# Altium PCB FPGA_Module.PcbDoc (part 3 of 5)
Units mm, origin at the board's own origin, x right, y up, seen from the top; angles counter-clockwise.
Board outline 40 x 50 mm, 6 copper layers (Top Layer, Int1 (GND), Int2 (Sign), Int3 (Sign), Int4 (GND), Bottom Layer), stack 1.49 mm thick; 168 components, 205 nets, 1176 pads, 667 vias.
Unrouted connection lines stored in the file: 1.
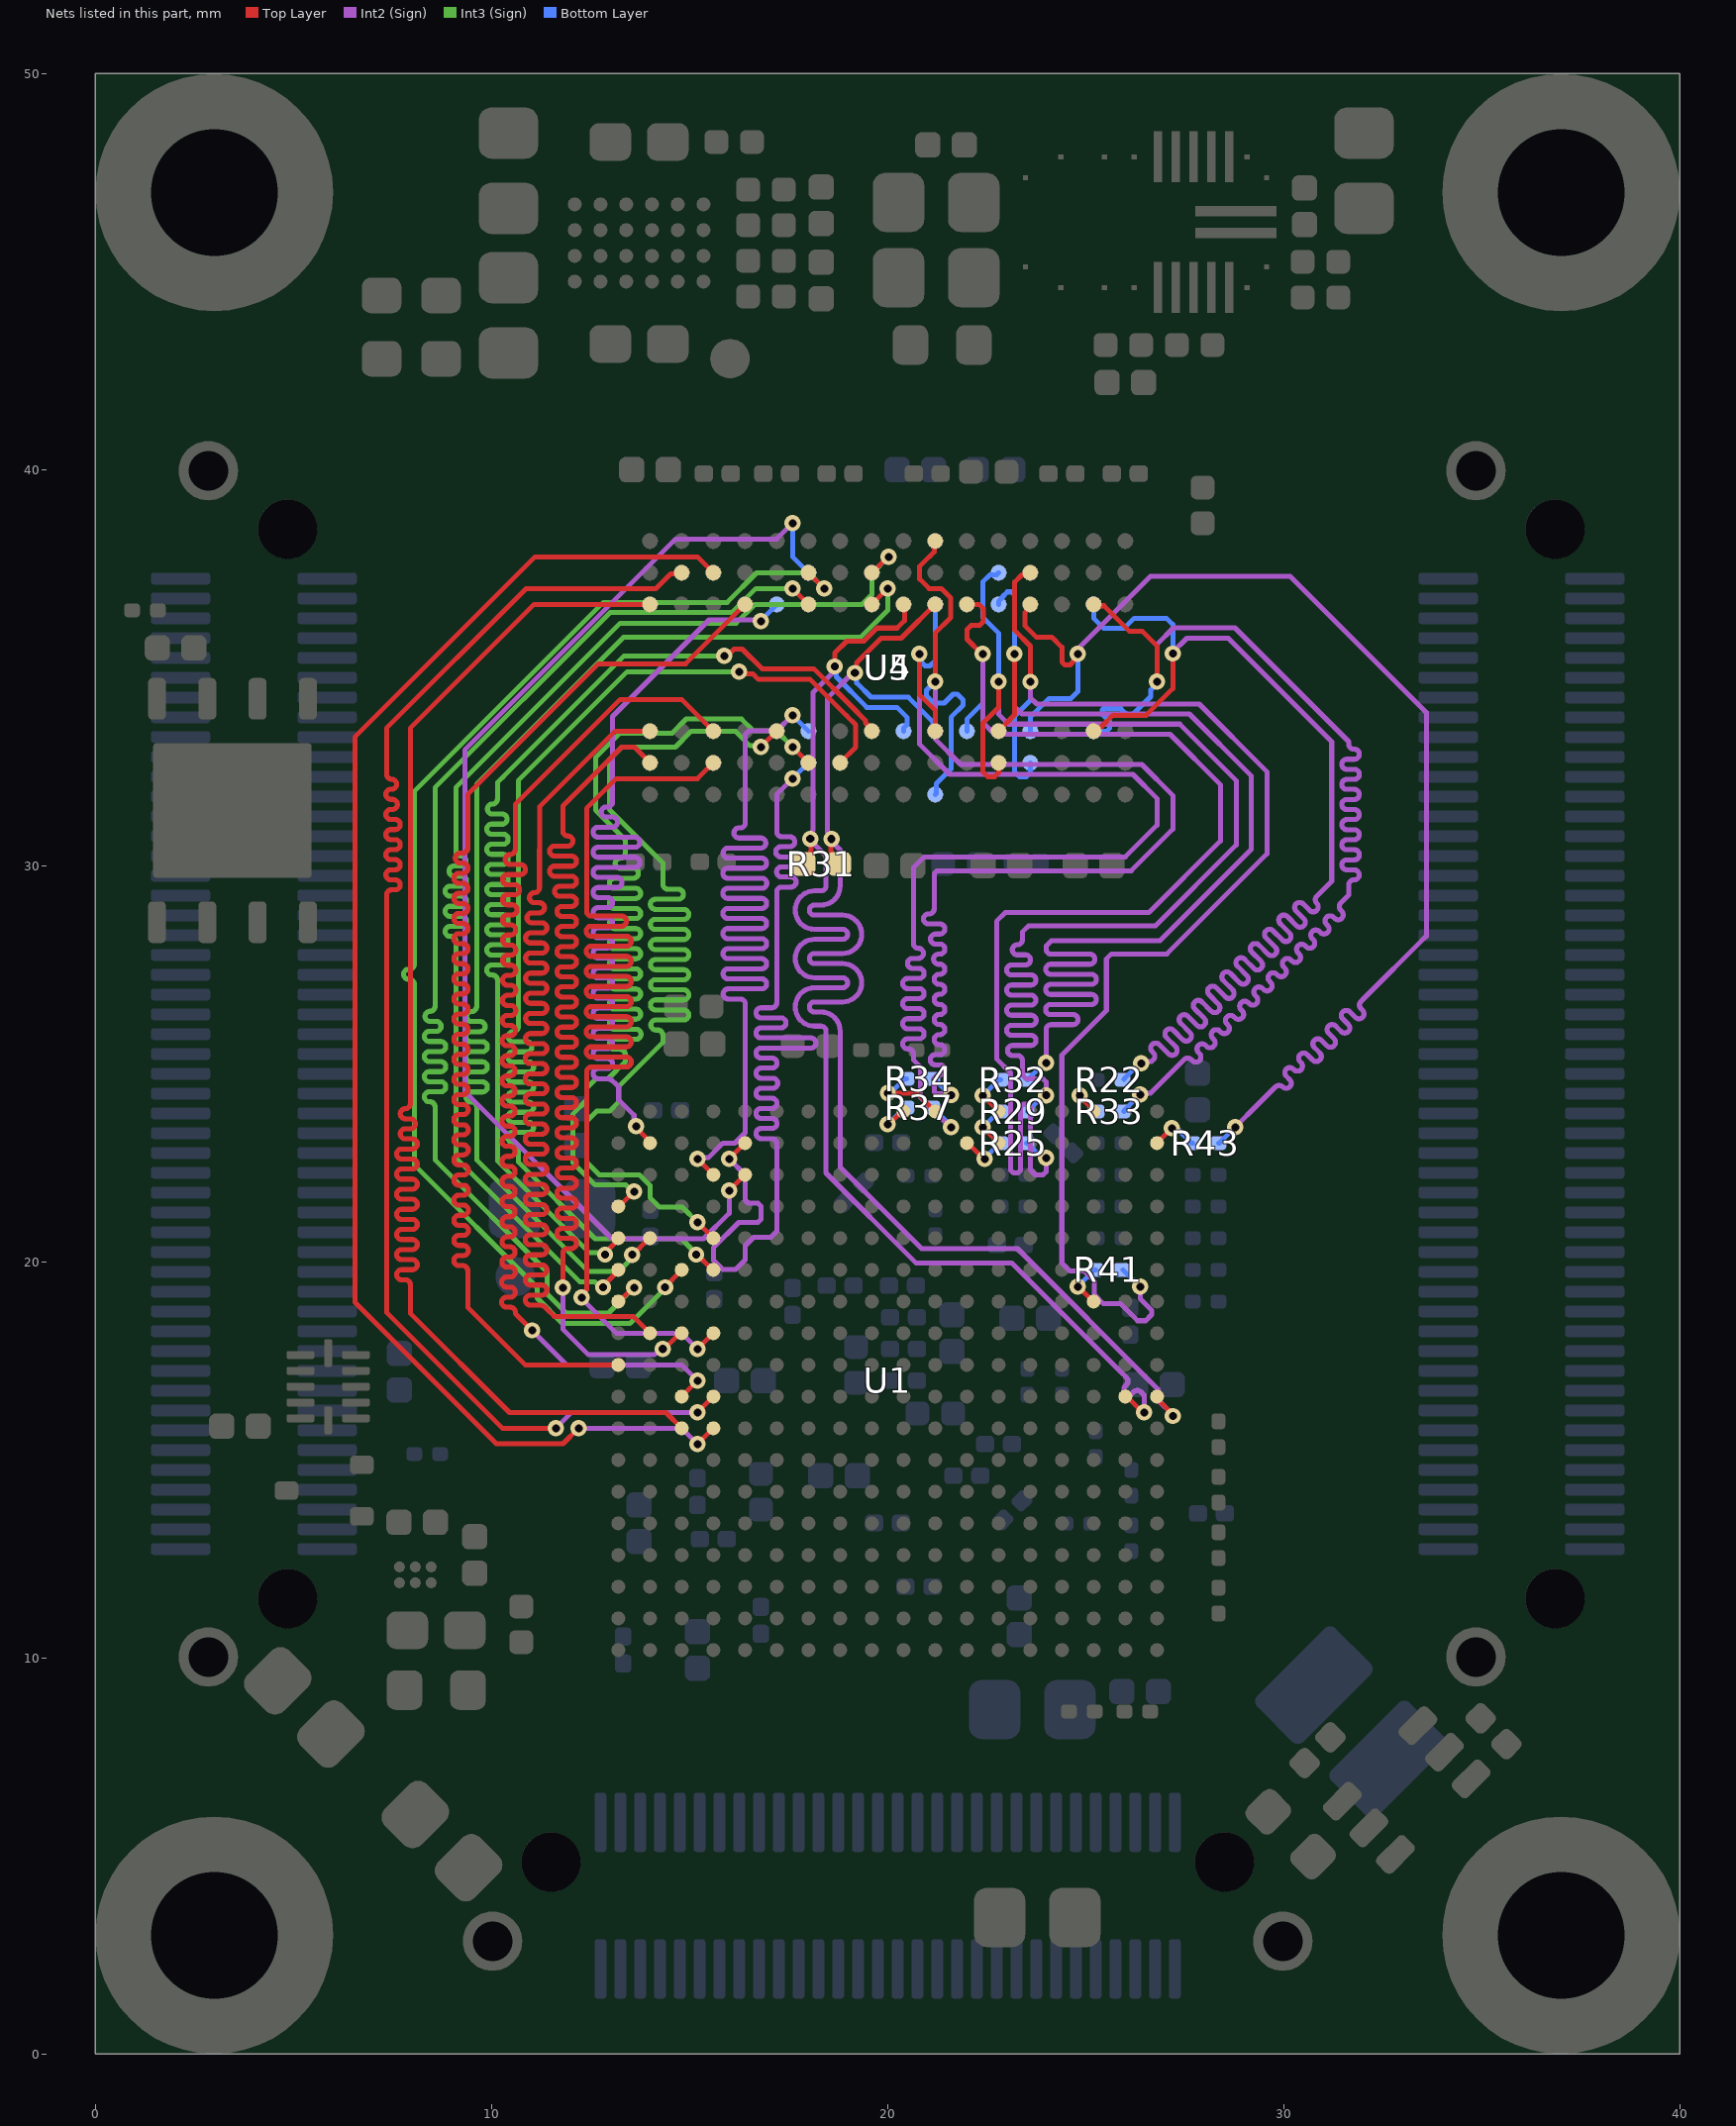
[diagram p7: the nets of this part, all layers, seen from the top]

## Via types
v1: diameter 0.406, hole 0.203, Top Layer to Bottom Layer, tented both sides, 667 vias

## Nets (pads, with @x,y where several pads share a name; then routed paths per layer and width w, separated by ;. In a path a pad name is that pad's centre, name@x,y a point inside that pad or via, vN(x,y) a via of type N, cw(c..) or ccw(c..) an arc to the next point about the centre after c; other vN are vias at no path point) (continued)
DDR3_A9_T: R22.2 U4.R3 U5.R3 | length 33
  Top Layer w0.127: U4.R3@25.2,33.4 25.274,33.4 25.379,33.505 25.393,33.505 25.688,33.8 26.525,33.8 27.2,34.475 v1(27.2,35.359)
  Int2 (Sign) w0.127: v1(26.401,25.012) 26.443,25.054 26.661,25.054 26.706,25.099 ccw(c26.616,25.189) 26.706,25.279 26.677,25.307 cw(c26.767,25.397) 26.677,25.487 cw(c26.767,25.397) 26.857,25.487 27.092,25.251 ccw(c27.182,25.341) 27.272,25.251 ccw(c27.182,25.341) 27.272,25.431 27.037,25.666 cw(c27.126,25.756) 27.037,25.846 cw(c27.126,25.756) 27.216,25.846 27.451,25.611 ccw(c27.541,25.7) 27.631,25.611 ccw(c27.541,25.7) 27.631,25.79 27.396,26.026 cw(c27.486,26.115) 27.396,26.205 cw(c27.486,26.115) 27.575,26.205 27.811,25.97 ccw(c27.9,26.06) 27.99,25.97 ccw(c27.9,26.06) 27.99,26.149 27.755,26.385 cw(c27.845,26.475) 27.755,26.564 cw(c27.845,26.475) 27.935,26.564 28.17,26.329 ccw(c28.26,26.419) 28.349,26.329 ccw(c28.26,26.419) 28.349,26.509 28.114,26.744 cw(c28.204,26.834) 28.114,26.924 cw(c28.204,26.834) 28.294,26.924 28.529,26.688 ccw(c28.619,26.778) 28.709,26.688 ccw(c28.619,26.778) 28.709,26.868 28.473,27.103 cw(c28.563,27.193) 28.473,27.283 cw(c28.563,27.193) 28.653,27.283 28.888,27.048 ccw(c28.978,27.137) 29.068,27.048 ccw(c28.978,27.137) 29.068,27.227 28.833,27.462 cw(c28.922,27.552) 28.833,27.642 cw(c28.922,27.552) 29.012,27.642 29.247,27.407 ccw(c29.337,27.497) 29.427,27.407 ccw(c29.337,27.497) 29.427,27.586 29.192,27.822 cw(c29.282,27.911) 29.192,28.001 cw(c29.282,27.911) 29.371,28.001 29.607,27.766 ccw(c29.696,27.856) 29.786,27.766 ccw(c29.696,27.856) 29.786,27.946 29.551,28.181 cw(c29.641,28.271) 29.551,28.36 cw(c29.641,28.271) 29.731,28.36 29.966,28.125 ccw(c30.056,28.215) 30.145,28.125 ccw(c30.056,28.215) 30.145,28.305 29.91,28.54 cw(c30,28.63) 29.91,28.72 cw(c30,28.63) 30.09,28.72 30.325,28.484 ccw(c30.415,28.574) 30.505,28.484 ccw(c30.415,28.574) 30.505,28.664 30.31,28.858 cw(c30.4,28.948) 30.31,29.038 cw(c30.4,28.948) 30.49,29.038 30.654,28.874 ccw(c30.744,28.964) 30.833,28.874 ccw(c30.744,28.964) 30.833,29.054 cw(c30.923,29.143) 30.833,29.233 31.165,29.566 31.21,29.611 31.21,33.134 28.598,35.746 27.553,35.746 27.2,35.393 v1(27.2,35.359)
  Bottom Layer w0.127: U5.R3@25.2,36.6 25.2,36.25 25.45,36 25.975,36 26.225,36.25 27.039,36.25 27.2,36.089 v1(27.2,35.359) ; R22.2@25.963,24.613 v1@26.375,25.025
DDR3_A10: R25.1 U1.M17 | length 1.2
  Top Layer w0.127: U1.M17@22,23 22.025,23 22.425,22.6 v1(22.45,22.6)
  Bottom Layer w0.127: v1(22.45,22.6) 22.45,22.613 22.837,23 R25.1@22.85,23
DDR3_A10_T: R25.2 U4.L7 U5.L7 | length 32.2
  Top Layer w0.127: U4.L7@22,36.6 22.308,36.6 22.42,36.489 22.42,36.167 22.324,36.071 22.109,36.071 22.005,35.967 22.005,35.72 22.375,35.35 v1(22.4,35.35)
  Int2 (Sign) w0.127: v1(22.4,35.35) 22.4,33.625 22.702,33.323 27.127,33.323 28.4,32.05 28.4,30.625 26.596,28.821 22.971,28.821 22.75,28.6 22.75,25.126 23.104,24.773 23.104,22.317 23.178,22.243 23.283,22.243 23.359,22.319 23.359,23.917 23.428,23.985 23.533,23.985 23.602,23.917 23.602,22.323 23.731,22.194 23.919,22.194 24,22.275 v1(24,22.625)
  Bottom Layer w0.127: U5.L7@22,33.4 22,33.7 22.4,34.1 v1(22.4,35.35) ; R25.2@23.5,23 23.525,23 23.847,22.678 23.947,22.678 v1(24,22.625)
DDR3_A11: R33.1 U1.T18 | length 1.1
  Top Layer w0.127: v1(24.85,24.202) 24.85,24.176 25.187,23.839 U1.T18@25.187,23.794
  Bottom Layer w0.127: v1@24.85,24.201 25.251,23.8 R33.1@25.275,23.8
DDR3_A11_T: R33.2 U4.R7 U5.R7 | length 33.2
  Top Layer w0.127: U4.R7@25.2,36.6 25.237,36.563 25.462,36.563 26.1,35.925 26.425,35.925 26.8,35.55 v1(26.8,34.65)
  Int2 (Sign) w0.127: v1(26.375,24.225) 26.412,24.262 26.641,24.262 26.903,24.524 27.487,25.107 cw(c27.577,25.018) 27.666,25.107 27.692,25.081 ccw(c27.782,25.171) 27.872,25.081 ccw(c27.782,25.171) 27.872,25.261 27.846,25.287 cw(c27.936,25.377) 27.846,25.467 cw(c27.936,25.377) 28.026,25.467 28.052,25.44 ccw(c28.141,25.53) 28.231,25.44 ccw(c28.141,25.53) 28.231,25.62 28.205,25.646 cw(c28.295,25.736) 28.205,25.826 cw(c28.295,25.736) 28.385,25.826 28.411,25.8 ccw(c28.501,25.889) 28.59,25.8 ccw(c28.501,25.889) 28.59,25.979 28.564,26.005 cw(c28.654,26.095) 28.564,26.185 cw(c28.654,26.095) 28.744,26.185 28.77,26.159 ccw(c28.86,26.249) 28.95,26.159 ccw(c28.86,26.249) 28.95,26.339 28.924,26.365 cw(c29.013,26.454) 28.924,26.544 cw(c29.013,26.454) 29.103,26.544 29.129,26.518 ccw(c29.219,26.608) 29.309,26.518 ccw(c29.219,26.608) 29.309,26.698 29.283,26.724 cw(c29.373,26.814) 29.283,26.903 cw(c29.373,26.814) 29.462,26.903 29.489,26.877 ccw(c29.578,26.967) 29.668,26.877 ccw(c29.578,26.967) 29.668,27.057 29.642,27.083 cw(c29.732,27.173) 29.642,27.263 cw(c29.732,27.173) 29.822,27.263 29.848,27.237 ccw(c29.938,27.326) 30.027,27.237 ccw(c29.938,27.326) 30.027,27.416 30.001,27.442 cw(c30.091,27.532) 30.001,27.622 cw(c30.091,27.532) 30.181,27.622 30.207,27.596 ccw(c30.297,27.686) 30.387,27.596 ccw(c30.297,27.686) 30.387,27.775 30.36,27.801 cw(c30.45,27.891) 30.36,27.981 cw(c30.45,27.891) 30.54,27.981 30.566,27.955 ccw(c30.656,28.045) 30.746,27.955 ccw(c30.656,28.045) 30.746,28.135 30.72,28.161 cw(c30.81,28.25) 30.72,28.34 cw(c30.81,28.25) 30.899,28.34 30.925,28.314 ccw(c31.015,28.404) 31.105,28.314 ccw(c31.015,28.404) 31.105,28.494 31.079,28.52 cw(c31.169,28.61) 31.079,28.699 cw(c31.169,28.61) 31.259,28.699 31.285,28.673 ccw(c31.374,28.763) 31.464,28.673 ccw(c31.374,28.763) 31.464,28.853 31.438,28.879 cw(c31.528,28.969) 31.438,29.059 31.575,29.195 31.591,29.212 31.641,29.261 31.641,29.515 cw(c31.768,29.515) 31.768,29.642 31.777,29.642 ccw(c31.777,29.769) 31.777,29.896 31.591,29.896 cw(c31.591,30.023) 31.591,30.15 31.783,30.15 ccw(c31.783,30.277) 31.783,30.404 31.591,30.404 cw(c31.591,30.531) 31.591,30.658 31.78,30.658 ccw(c31.78,30.785) 31.78,30.912 31.591,30.912 cw(c31.591,31.039) 31.591,31.166 31.78,31.166 ccw(c31.78,31.293) 31.78,31.42 31.591,31.42 cw(c31.591,31.547) 31.591,31.674 31.781,31.674 ccw(c31.781,31.801) 31.781,31.928 31.591,31.928 cw(c31.591,32.055) 31.591,32.182 31.781,32.182 ccw(c31.781,32.309) 31.781,32.436 31.591,32.436 cw(c31.591,32.563) 31.591,32.69 31.782,32.69 ccw(c31.782,32.817) 31.782,32.944 31.768,32.944 cw(c31.768,33.071) 31.641,33.071 31.641,33.134 28.77,36.005 27.215,36.005 26.8,35.59 v1(26.8,34.65)
  Bottom Layer w0.127: U5.R7@25.2,33.4 25.535,33.4 25.61,33.474 25.61,33.64 25.419,33.831 25.419,33.936 25.448,33.965 25.887,33.965 26.057,33.795 26.162,33.795 26.563,34.196 26.567,34.196 26.641,34.27 26.641,34.441 26.8,34.599 v1(26.8,34.65) ; R33.2@25.963,23.8 25.963,23.813 v1(26.375,24.225)
DDR3_A12: R43.1 U1.V17 | length 1.2
  Top Layer w0.127: U1.V17@26.8,23 v1(27.175,23.375)
  Bottom Layer w0.127: v1(27.175,23.375) 27.228,23.322 27.353,23.322 27.675,23 R43.1@27.7,23
DDR3_A12_T: R43.2 U4.N7 U5.N7 | length 33
  Top Layer w0.127: U4.N7@23.6,36.6 23.6,36.526 23.464,36.39 23.464,36.062 23.75,35.775 24.141,35.775 24.4,35.516 24.4,35.143 24.474,35.069 24.605,35.069 24.654,35.118 24.654,35.128 24.8,35.274 v1(24.8,35.35)
  Int2 (Sign) w0.127: v1(24.8,35.35) 24.853,35.403 24.853,35.529 26.628,37.304 30.166,37.304 33.6,33.87 33.6,28.225 31.993,26.618 31.948,26.573 ccw(c32.038,26.483) 31.948,26.393 31.989,26.353 cw(c31.899,26.263) 31.989,26.173 cw(c31.899,26.263) 31.809,26.173 31.669,26.313 ccw(c31.58,26.223) 31.49,26.313 ccw(c31.58,26.223) 31.49,26.133 31.63,25.993 cw(c31.54,25.904) 31.63,25.814 cw(c31.54,25.904) 31.45,25.814 31.31,25.954 ccw(c31.22,25.864) 31.131,25.954 ccw(c31.22,25.864) 31.131,25.774 31.27,25.634 cw(c31.181,25.544) 31.27,25.455 cw(c31.181,25.544) 31.091,25.455 30.951,25.594 ccw(c30.861,25.505) 30.771,25.594 ccw(c30.861,25.505) 30.771,25.415 30.911,25.275 cw(c30.821,25.185) 30.911,25.095 cw(c30.821,25.185) 30.732,25.095 30.592,25.235 ccw(c30.502,25.145) 30.412,25.235 ccw(c30.502,25.145) 30.412,25.056 30.436,25.032 cw(c30.346,24.942) 30.436,24.853 cw(c30.346,24.942) 30.256,24.853 30.242,24.867 ccw(c30.152,24.777) 30.062,24.867 ccw(c30.152,24.777) 30.062,24.687 30.152,24.597 cw(c30.062,24.508) 30.152,24.418 cw(c30.062,24.508) 29.972,24.418 ccw(c29.883,24.328) 29.793,24.418 29.355,23.98 v1(28.775,23.4)
  Bottom Layer w0.127: U5.N7@23.6,33.4 23.6,33.75 24.075,34.225 24.63,34.225 24.8,34.395 v1(24.8,35.35) ; R43.2@28.35,23 28.375,23 v1(28.775,23.4)
DDR3_BA0: R29.1 U1.N17 | length 1.2
  Top Layer w0.127: v1(22.4,23.4) U1.N17@22.8,23
  Bottom Layer w0.127: v1(22.4,23.4) 22.412,23.4 22.812,23.8 R29.1@22.85,23.8
DDR3_BA0_T: R29.2 U4.M2 U5.M2 | length 33.4
  Top Layer w0.127: U4.M2@22.8,32.6 22.8,32.35 22.7,32.25 22.525,32.25 22.41,32.365 22.41,33.608 22.804,34.002 22.804,34.646 v1(22.8,34.65)
  Int2 (Sign) w0.127: v1(22.8,34.65) 22.8,33.825 23.048,33.577 27.373,33.577 28.8,32.15 28.8,30.525 26.761,28.486 23.559,28.486 23.463,28.39 23.401,28.328 23.401,28.132 cw(c23.274,28.132) 23.274,28.005 ccw(c23.274,27.878) 23.274,27.751 23.48,27.751 cw(c23.48,27.624) 23.48,27.497 23.131,27.497 ccw(c23.131,27.37) 23.131,27.243 23.618,27.243 cw(c23.618,27.116) 23.618,26.989 23.131,26.989 ccw(c23.131,26.862) 23.131,26.735 23.614,26.735 cw(c23.614,26.608) 23.614,26.481 23.131,26.481 ccw(c23.131,26.354) 23.131,26.227 23.623,26.227 cw(c23.623,26.1) 23.623,25.973 23.131,25.973 ccw(c23.131,25.846) 23.131,25.719 23.619,25.719 cw(c23.619,25.592) 23.619,25.465 23.152,25.465 ccw(c23.152,25.338) 23.152,25.211 23.274,25.211 cw(c23.274,25.084) 23.401,25.084 23.401,25.02 23.401,24.718 23.501,24.617 23.926,24.617 24.001,24.543 v1(24.001,24.205)
  Bottom Layer w0.127: v1(22.8,34.65) 22.8,35.875 22.41,36.265 22.41,37.174 22.584,37.348 22.748,37.348 U5.M2@22.8,37.4 ; R29.2@23.533,23.8 23.538,23.8 23.943,24.205 v1(24.001,24.205)
DDR3_BA1: R41.1 U1.T12 | length 1.2
  Top Layer w0.127: v1(24.8,19.375) 24.813,19.375 25.187,19 U1.T12@25.2,19
  Bottom Layer w0.127: v1(24.8,19.375) 25.225,19.8 R41.1@25.25,19.8
DDR3_BA1_T: R41.2 U4.N8 U5.N8 | length 33.4
  Top Layer w0.127: U4.N8@23.6,37.4 23.548,37.348 23.392,37.348 23.21,37.166 23.21,35.94 23.602,35.548 v1(23.602,34.648)
  Int2 (Sign) w0.127: v1(23.602,34.648) v1(23.602,34.648) 23.601,34.249 23.765,34.085 27.865,34.085 29.575,32.375 29.575,30.3 27.05,27.775 25.65,27.775 25.524,27.649 25.524,26.348 24.397,25.222 24.397,19.971 24.599,19.769 24.965,19.769 25.216,19.518 25.216,19.171 25.447,18.94 25.885,18.94 26.31,18.515 26.515,18.515 26.67,18.67 26.67,18.775 26.375,19.07 v1(26.375,19.375)
  Bottom Layer w0.127: U5.N8@23.6,32.6 23.6,32.35 23.5,32.25 23.325,32.25 23.21,32.365 23.21,33.785 23.602,34.177 v1(23.602,34.648) ; R41.2@25.938,19.8 26.362,19.375 v1(26.375,19.375)
DDR3_BA2: R32.1 U1.N18 | length 1.2
  Top Layer w0.127: v1(22.4,24.2) U1.N18@22.8,23.8
  Bottom Layer w0.127: v1(22.4,24.2) 22.413,24.2 22.813,24.6 R32.1@22.85,24.6
DDR3_BA2_T: R32.2 U4.M3 U5.M3 | length 32.2
  Top Layer w0.127: U4.M3@22.8,33.4 23.207,33.807 23.207,35.343 v1(23.2,35.35)
  Int2 (Sign) w0.127: v1(23.2,35.35) 23.2,34.025 23.394,33.831 27.619,33.831 29.175,32.275 29.175,30.407 26.876,28.108 24.133,28.108 24.121,28.096 24.002,27.977 24.002,27.895 ccw(c24.129,27.895) 24.129,27.768 25.105,27.768 cw(c25.105,27.641) 25.105,27.514 24.119,27.514 ccw(c24.119,27.387) 24.119,27.26 25.143,27.26 cw(c25.143,27.133) 25.143,27.006 24.117,27.006 ccw(c24.117,26.879) 24.117,26.752 25.143,26.752 cw(c25.143,26.625) 25.143,26.498 24.114,26.498 ccw(c24.114,26.371) 24.114,26.244 24.679,26.244 cw(c24.679,26.117) 24.679,25.99 24.127,25.99 ccw(c24.127,25.863) 24,25.863 24,25.374 24,25.037 v1(24,25.025)
  Bottom Layer w0.127: U5.M3@22.8,36.6 22.8,36.674 22.902,36.776 22.902,36.796 23.02,36.914 23.126,36.914 23.2,36.84 v1(23.2,35.35) ; R32.2@23.533,24.6 23.538,24.6 23.963,25.025 v1(24,25.025)
DDR3_CAS: R37.1 U1.K18 | length 1.2
  Top Layer w0.127: v1(20,23.475) 20.038,23.475 20.363,23.8 U1.K18@20.4,23.8
  Bottom Layer w0.127: v1(20,23.475) 20.012,23.475 20.438,23.9 R37.1@20.475,23.9
DDR3_CAS_T: R37.2 U4.K3 U5.K3 | length 31.9
  Top Layer w0.127: v1(20.8,35.35) 20.8,34.325 21.2,33.925 U4.K3@21.2,33.4
  Int2 (Sign) w0.127: v1(20.8,35.35) 20.8,33.075 21.568,32.307 26.193,32.307 26.8,31.7 26.8,31.025 26,30.225 20.925,30.225 20.65,29.95 20.65,29.03 20.65,28.043 ccw(c20.777,28.043) 20.777,27.916 cw(c20.777,27.789) 20.777,27.662 20.628,27.662 ccw(c20.628,27.535) 20.628,27.408 20.794,27.408 cw(c20.794,27.281) 20.794,27.154 20.506,27.154 ccw(c20.506,27.027) 20.506,26.9 20.794,26.9 cw(c20.794,26.773) 20.794,26.646 20.506,26.646 ccw(c20.506,26.519) 20.506,26.392 20.794,26.392 cw(c20.794,26.265) 20.794,26.138 20.506,26.138 ccw(c20.506,26.011) 20.506,25.884 20.794,25.884 cw(c20.794,25.757) 20.794,25.63 20.506,25.63 ccw(c20.506,25.503) 20.506,25.376 20.523,25.376 cw(c20.523,25.249) 20.65,25.249 20.65,25.186 20.65,25.1 20.825,24.925 20.825,24.149 21.574,23.4 v1(21.6,23.4)
  Bottom Layer w0.127: v1(20.8,35.35) 20.853,35.297 20.853,35.135 20.945,35.044 21.069,35.044 21.2,35.175 U5.K3@21.2,36.6 ; R37.2@21.163,23.9 21.158,23.9 21.158,23.879 21.6,23.437 v1(21.6,23.4) v1@21.575,23.4
DDR3_CKE: R34.1 U1.L18 | length 2
  Top Layer w0.127: v1(20.002,24.261) 20.739,24.261 U1.L18@21.2,23.8
  Bottom Layer w0.127: v1(20.002,24.261) 20.073,24.261 20.437,24.625 R34.1@20.475,24.625
DDR3_CKE_T: R34.2 U4.K9 U5.K9 | length 34.1
  Top Layer w0.127: v1(21.2,34.65) 21.2,35.875 21.59,36.266 21.59,36.762 21.352,37 21.048,37 20.809,37.238 20.809,37.562 21.038,37.79 21.04,37.79 21.176,37.926 21.176,38.176 U4.K9@21.2,38.2
  Int2 (Sign) w0.127: v1(21.2,34.65) 21.2,33.2 21.839,32.561 26.414,32.561 27.2,31.775 27.2,30.925 26.15,29.875 21.25,29.875 21.175,29.8 21.175,29.4 21.175,28.912 cw(c21.048,28.912) 21.048,28.785 21.031,28.785 ccw(c21.031,28.658) 21.031,28.531 21.319,28.531 cw(c21.319,28.404) 21.319,28.277 21.209,28.277 ccw(c21.209,28.15) 21.209,28.023 21.319,28.023 cw(c21.319,27.896) 21.319,27.769 21.285,27.769 ccw(c21.285,27.642) 21.285,27.515 21.319,27.515 cw(c21.319,27.388) 21.319,27.261 21.302,27.261 ccw(c21.302,27.134) 21.302,27.007 21.319,27.007 cw(c21.319,26.88) 21.319,26.753 21.302,26.753 ccw(c21.302,26.626) 21.302,26.499 21.319,26.499 cw(c21.319,26.372) 21.319,26.245 21.302,26.245 ccw(c21.302,26.118) 21.302,25.991 21.319,25.991 cw(c21.319,25.864) 21.319,25.737 21.302,25.737 ccw(c21.302,25.61) 21.302,25.483 21.319,25.483 cw(c21.319,25.356) 21.319,25.229 21.201,25.229 ccw(c21.201,25.102) 21.201,24.975 21.319,24.975 cw(c21.319,24.848) 21.319,24.721 21.302,24.721 ccw(c21.302,24.594) 21.175,24.594 21.175,24.277 21.208,24.244 21.569,24.244 v1(21.602,24.211)
  Bottom Layer w0.127: R34.2@21.158,24.625 21.163,24.625 21.577,24.211 v1(21.602,24.211) ; U5.K9@21.2,31.8 21.226,31.827 21.226,32.072 21.6,32.445 21.6,33.75 21.908,34.058 21.908,34.185 21.759,34.334 21.654,34.334 21.428,34.107 21.161,34.107 20.981,34.287 20.981,34.431 v1(21.2,34.65)
DDR3_CLK_N: R31.1 U1.V9 U4.K7 U5.K7 | length 36.5
  Top Layer w0.127: v1(18.583,30.678) 18.568,30.664 18.568,30.361 18.592,30.337 18.592,30.233 R31.1@18.775,30.05 ; v1(19.172,34.869) 19.219,34.916 19.219,35.126 19.837,35.744 20.086,35.744 20.344,35.744 20.419,35.819 U4.K7@21.2,36.6 ; U1.V9@26.8,16.6 26.8,16.554 27.2,16.154 v1(27.2,16.109)
  Int2 (Sign) w0.127: v1@18.54,30.657 18.54,30.797 18.475,30.862 18.475,34.228 v1@19.144,34.897 ; v1(18.583,30.678) 18.583,30.614 18.802,30.394 18.802,30.346 18.802,29.492 cw(c18.318,29.492) 18.318,29.008 18.152,29.008 ccw(c18.152,28.881) 18.025,28.881 ccw(c18.152,28.881) 18.152,28.754 18.862,28.754 cw(c18.862,28.27) 19.346,28.27 cw(c18.862,28.27) 18.862,27.785 18.152,27.785 ccw(c18.152,27.658) 18.025,27.658 ccw(c18.152,27.658) 18.152,27.531 18.862,27.531 cw(c18.862,27.047) 19.346,27.047 cw(c18.862,27.047) 18.862,26.563 18.152,26.563 ccw(c18.152,26.436) 18.025,26.436 ccw(c18.152,26.436) 18.152,26.309 18.318,26.309 cw(c18.318,25.824) 18.802,25.824 18.802,25.135 18.802,22.391 20.861,20.332 23.28,20.332 26.832,16.78 26.832,16.506 27.2,16.139 v1(27.2,16.109)
  Bottom Layer w0.127: v1(19.172,34.869) 19.22,34.821 19.22,34.614 19.578,34.256 20.237,34.256 20.344,34.256 20.345,34.255 20.523,34.255 21.148,33.63 21.148,33.452 U5.K7@21.2,33.4
DDR3_CLK_P: R31.2 U1.U9 U4.J7 U5.J7 | length 36.8
  Top Layer w0.127: R31.2@17.875,30.05 18.058,30.233 18.058,30.354 18.065,30.361 18.065,30.664 v1(18.049,30.68) ; v1(18.664,35.031) 18.664,35.368 18.966,35.67 19.399,35.67 19.73,36.001 20.237,36.001 20.424,36.188 20.424,36.576 U4.J7@20.4,36.6 ; U1.U9@26,16.6 26.037,16.6 26.438,16.2 v1(26.475,16.2)
  Int2 (Sign) w0.127: v1@18.725,35.05 18.685,35.01 18.685,34.944 18.118,34.376 18.118,30.894 18.103,30.879 18.103,30.73 18.054,30.681 18.054,30.637 18.345,30.346 18.445,30.246 18.445,29.492 cw(c18.318,29.492) 18.318,29.365 18.152,29.365 ccw(c18.152,28.881) 17.667,28.881 ccw(c18.152,28.881) 18.152,28.397 18.862,28.397 cw(c18.862,28.27) 18.989,28.27 cw(c18.862,28.27) 18.862,28.143 18.152,28.143 ccw(c18.152,27.658) 17.667,27.658 ccw(c18.152,27.658) 18.152,27.174 18.862,27.174 cw(c18.862,27.047) 18.989,27.047 cw(c18.862,27.047) 18.862,26.92 18.152,26.92 ccw(c18.152,26.436) 17.667,26.436 ccw(c18.152,26.436) 18.152,25.951 18.318,25.951 cw(c18.318,25.824) 18.445,25.824 18.445,25.135 18.445,22.243 20.713,19.975 23.132,19.975 25.888,17.219 25.933,17.174 26.03,17.077 cw(c25.94,16.987) 26.03,16.897 26.002,16.87 ccw(c26.092,16.78) 26.002,16.69 ccw(c26.092,16.78) 26.182,16.69 26.209,16.718 cw(c26.299,16.628) 26.389,16.718 26.475,16.632 26.475,16.534 v1(26.475,16.2)